# Altium PCB 一体机V1.PcbDoc (part 5 of 5)
Units mil, origin at the board's own origin, x right, y up, seen from the top; angles counter-clockwise.
Board outline 4013.53 x 6321.59 mil, 6 copper layers (Top Layer, GND, VCC, Mid-Layer 1, GND (Plane2), Bottom Layer); 349 components, 402 nets, 1592 pads, 708 vias.
Unrouted connection lines stored in the file: 4.
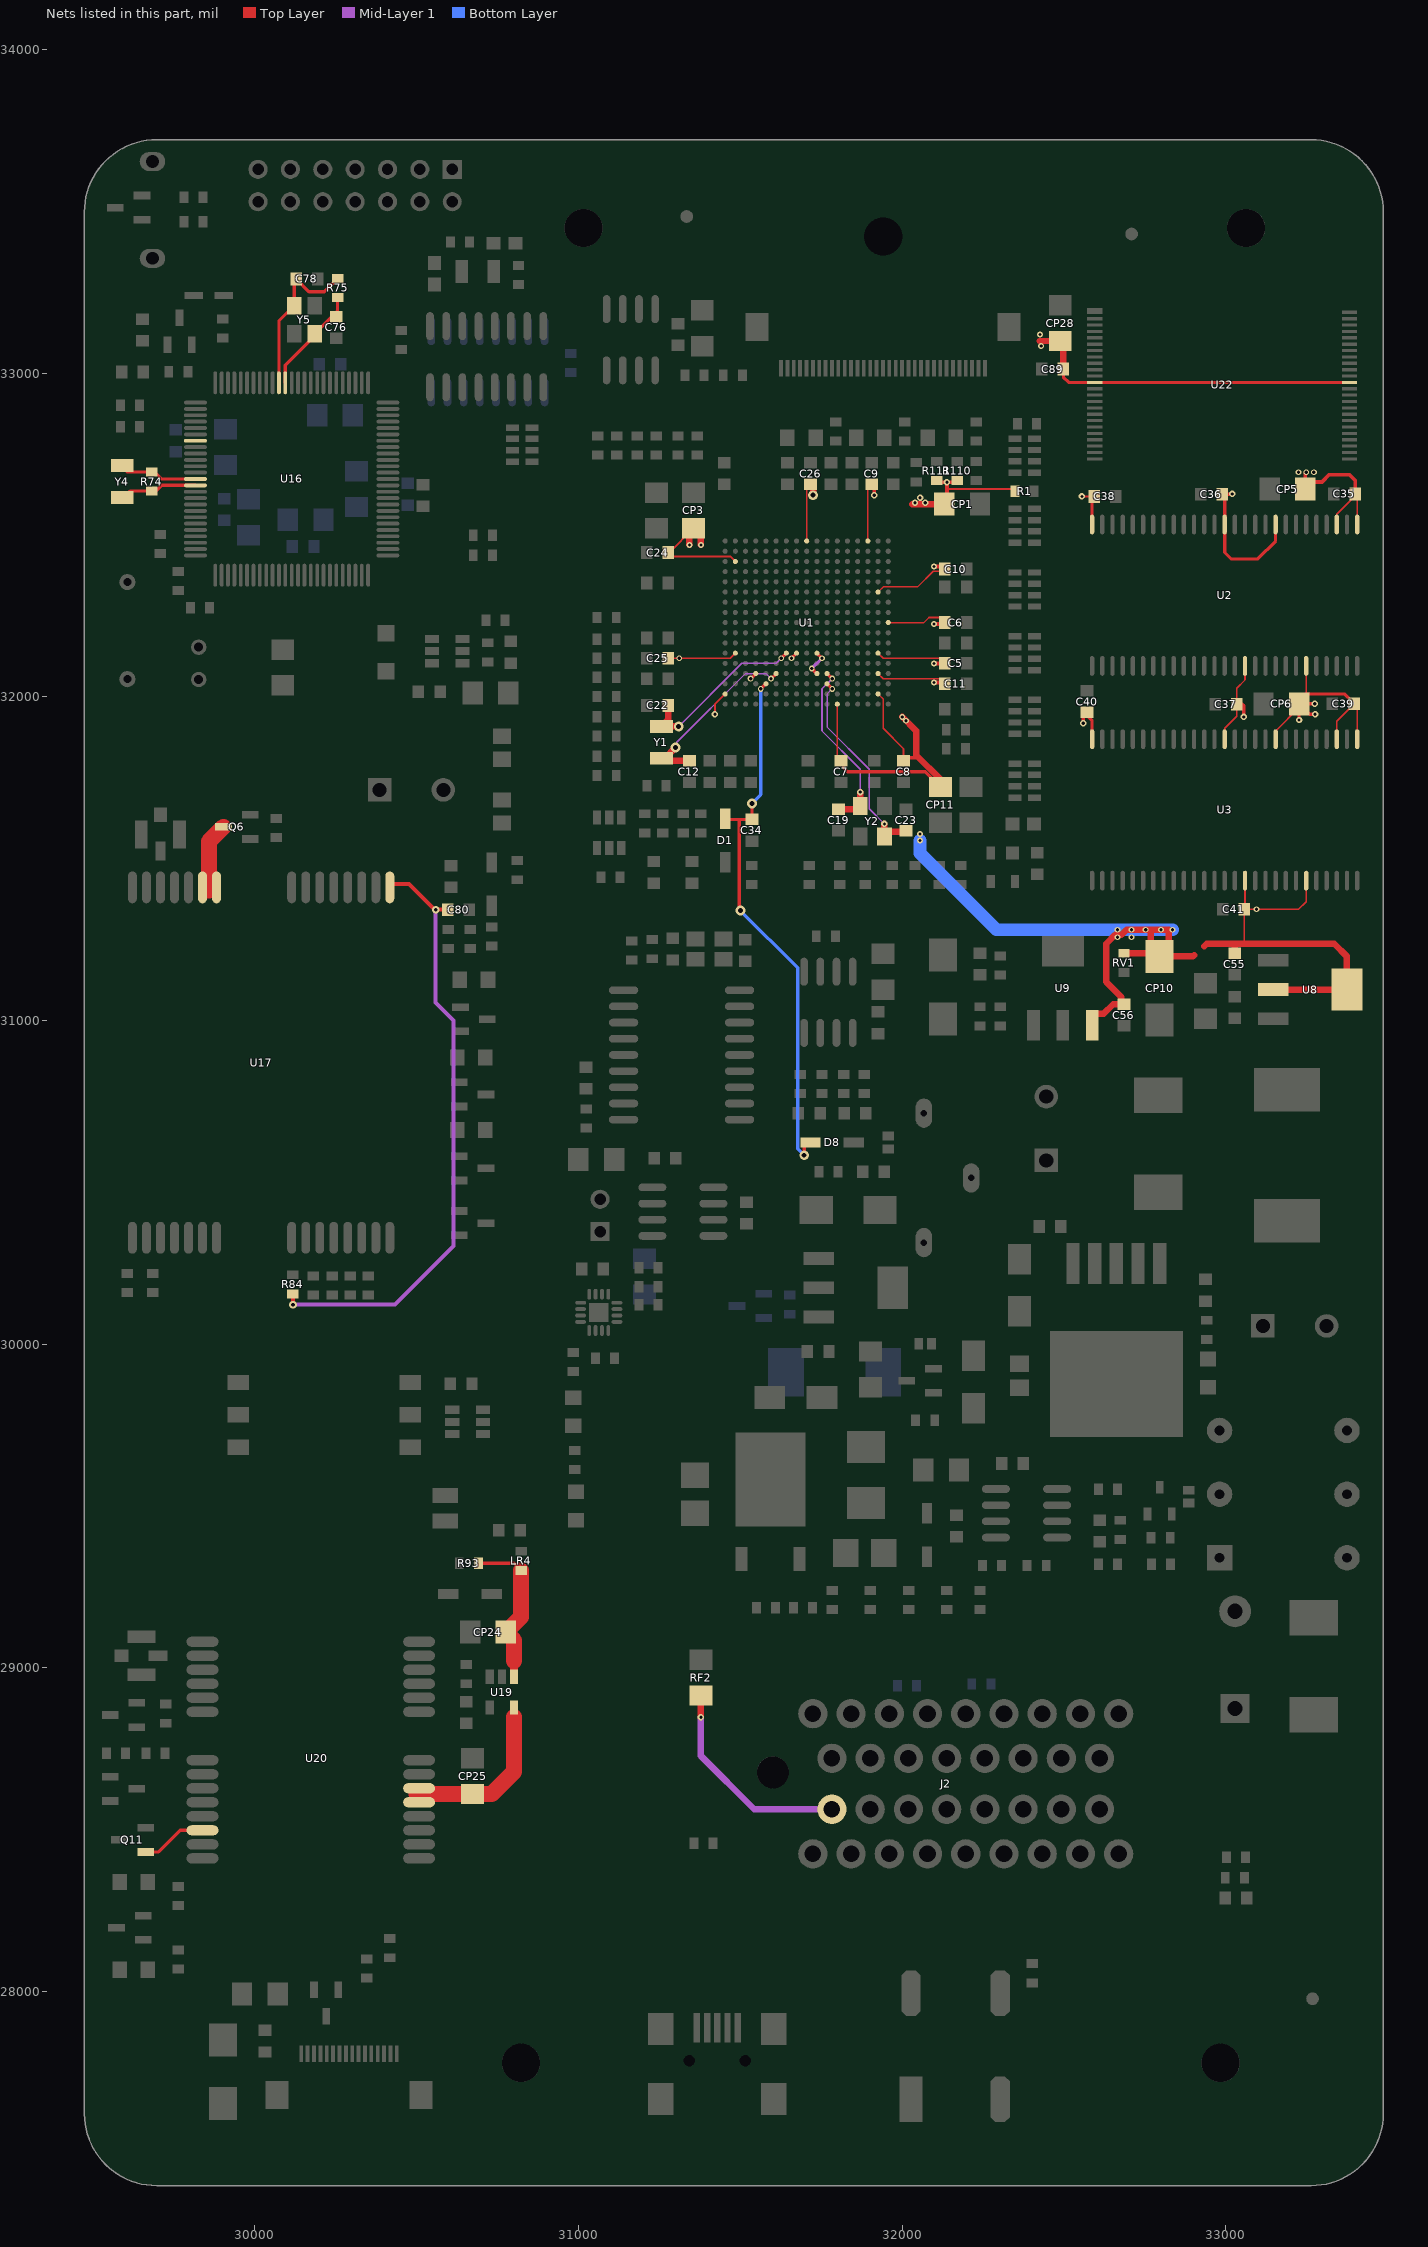
[diagram p9: the nets of this part, all layers, seen from the top]

## Via types
v1: diameter 18, hole 10, Top Layer to Bottom Layer, tented top, 254 vias
v2: diameter 20, hole 10, Top Layer to Bottom Layer, tented top, 136 vias
v3: diameter 23.62, hole 11.81, Top Layer to Bottom Layer, 111 vias
v4: diameter 50, hole 28, Top Layer to Bottom Layer, 77 vias
v5: diameter 19.68, hole 10, Top Layer to Bottom Layer, tented top, 63 vias
v6: diameter 23.62, hole 11.81, Top Layer to Bottom Layer, tented top, 31 vias
v7: diameter 30, hole 15, Top Layer to Bottom Layer, tented top, 18 vias
v8: diameter 30, hole 15, Top Layer to Bottom Layer, 17 vias
v9: diameter 39.37, hole 19.68, Top Layer to Bottom Layer, tented top, 1 vias

## Nets (pads, with @x,y where several pads share a name; then routed paths per layer and width w, separated by ;. In a path a pad name is that pad's centre, name@x,y a point inside that pad or via, vN(x,y) a via of type N, cw(c..) or ccw(c..) an arc to the next point about the centre after c; other vN are vias at no path point) (continued)
VDD3V30: C5.1 C6.1 C7.1 C8.1 C9.1 C10.1 C11.1 C24.1 C25.1 C26.1 C35.1 C36.1 C37.1 C38.1 C39.1 C40.1 C41.1 C55.1 C56.1 C89.1 CP1.1 CP3.1 CP5.1 CP6.1 CP10.1 CP11.1 CP28.1 R1.1 R110.1 R111.1 RV1.2 U1.A9 U1.B6 U1.B12 U1.B14 U1.B16 U1.C1 U1.F17 U1.H12 U1.H14 U1.J1 U1.K12 U1.P14 U1.T3 U1.T12 U1.U16 U2.1 U2.3 U2.9 U2.14 U2.27 U2.43 U2.49 U3.1 U3.3 U3.9 U3.14 U3.27 U3.43 U3.49 U8.2 U8.4 U9.3 U22.12 U22.37 | length 10463.1
  Top Layer w5: C25.1@31278.9,32114.01 31284.17,32119.29 v1(31311.73,32119.29) 31469.21,32119.29 U1.T12@31484.96,32135.04 ; U1.J1@31705.43,32481.5 C26.1@31705.43,32650.79 ; C7.1@31799.92,31802.36 U1.F17@31799.92,31977.56 ; U1.C1@31894.41,32481.5 C9.1@31894.41,32648.35 ; U1.B16@31925.91,32009.05 31941.65,31993.31 31941.65,31902.75 32004.65,31839.76 C8.1@32004.65,31802.36 ; U1.B14@31925.91,32072.05 31941.65,32056.3 32116.85,32056.3 C11.1@32132.6,32040.55 ; U1.B12@31925.91,32135.04 31941.65,32119.29 32020.4,32119.29 C5.1@32132.6,32119.29 ; U1.B6@31925.91,32324.02 31941.65,32339.76 32047.95,32339.76 32096.18,32387.99 C10.1@32131.97,32387.99 ; U1.A9@31957.4,32229.53 32040.08,32229.53 32067.64,32229.53 32083.39,32245.27 32116.22,32245.27 32131.97,32229.53 32128.03,32225.59 C6.1@32120.16,32217.72 ; C10.1@32116.85,32402.75 32120.79,32406.69 32124.73,32402.75 C10.1@32132.6,32394.88 ; C5.1@32120.79,32103.54 C5.1@32132.6,32115.35 ; v2(32555.83,32619.29) C38.1@32593.23,32619.29 ; U3.14@32996.77,31869.29 32996.77,31902.75 33034.17,31940.16 C37.1@33034.17,31977.56 33034.17,32026.77 33059.77,32052.36 U2.43@33059.77,32095.67 ; 33057.8,31240.08 C41.1@33057.8,31343.7 ; U3.43@33059.76,31432.28 33059.76,31345.67 C41.1@33057.8,31343.7 ; U3.9@33154.25,31869.29 33154.25,31894.88 33226.89,31967.52 CP6.1@33226.89,31967.91 ; U3.49@33248.74,31432.28 33248.74,31367.32 33225.12,31343.7 v1(33095.2,31343.7) C41.1@33057.8,31343.7 ; CP6.1@33248.74,31946.06 CP6.1@33226.89,31967.91 ; 33248.74,32020.87 33248.74,32000.51 CP6.1@33226.89,31978.66 CP6.1@33226.89,31967.91 ; 33248.74,32021.95 U2.49@33248.74,32095.67 ; U3.3@33343.23,31869.29 33343.23,31925.12 C39.1@33396.77,31978.66 33406.22,31969.21 U3.1@33406.22,31869.29 ; U2.3@33343.23,32532.68 33343.23,32564.17 33400.32,32621.26 C35.1@33400.32,32627.16 33406.22,32621.26 U2.1@33406.22,32532.68
  Top Layer w6: C24.1@31278.27,32446.06 31292.05,32459.84 31294.02,32459.84 31343.23,32509.05 CP3.1@31355.04,32520.87 ; C24.1@31289.21,32433.38 31470.09,32433.38 U1.T3@31484.96,32418.5 ; v2(31421.97,31946.06) 31421.97,31977.56 U1.U16@31453.46,32009.05 ; 32138.51,32642.91 32341.26,32642.91 R1.1@32349.13,32635.04
  Top Layer w10: v1(31532.2,32056.3) U1.P14@31547.95,32072.05 ; v1(31658.19,32119.29) U1.K12@31673.94,32135.04 ; v1(31721.18,32087.79) U1.H14@31736.93,32072.05 ; U1.H12@31736.93,32135.04 v1(31752.68,32119.29) ; C7.1@31811.73,31802.36 31819.61,31794.49 31819.61,31780.71 31831.42,31768.9 32071.58,31768.9 CP11.1@32118.82,31721.65 32118.82,31745.27 32051.89,31812.2 32014.49,31812.2 C8.1@32004.65,31802.36 ; C9.1@31906.22,32656.69 31914.1,32648.82 v5(31914.1,32623.23) ; CP1.1@32118.82,32595.67 CP1.1@32130.63,32595.67 ; v5@32138.51,32659.62 32142.13,32663.25 v5@32142.28,32663.4 ; C89.1@32498.74,33012.99 32498.74,32987.4 32514.49,32971.65 U22.12@32595.2,32971.65 U22.37@33382.6,32971.65 ; v2(32559.77,31918.5) 32559.77,31946.06 32565.67,31951.97 C40.1@32571.58,31951.97 32571.58,31942.13 32587.32,31926.38 U3.27@32587.32,31869.29 ; U2.27@32587.33,32532.68 C38.1@32587.33,32613.39 ; C36.1@32996.77,32618.5 U2.14@32996.77,32532.68 32996.77,32446.06 33016.46,32426.38 33099.14,32426.38 33154.25,32481.5 U2.9@33154.25,32532.68 ; C37.1@33034.17,31977.56 33051.89,31977.56 33055.83,31973.62 v2(33055.83,31938.19) ; v2(33226.89,31928.54) CP6.1@33226.89,31967.52 ; CP6.1@33226.89,31999.41 CP6.1@33226.89,31978.66 ; CP6.1@33244.8,32009.05 33366.38,32009.05 C39.1@33396.77,31978.66 ; v2(33275.2,31978.66) CP6.1@33226.89,31978.66 ; v2(33276.3,31946.06) 33259.49,31946.06 CP6.1@33226.89,31978.66
  Top Layer w12: v1(32099.14,32044.49) C11.1@32128.66,32044.49 ; v1(32099.14,32103.54) 32120.79,32103.54 C5.1@32132.6,32103.54 ; v1(32099.14,32225.59) C6.1@32128.03,32225.59 ; v1(32099.14,32402.75) 32116.85,32402.75 C10.1@32124.73,32402.75 ; R111.1@32105.69,32663.25 v5(32138.51,32663.25) ; CP1.1@32130.63,32595.67 32138.51,32603.54 32138.51,32638.1 ; 32138.51,32642.91 32138.51,32659.62 v5(32138.51,32663.25) ; v5@32142.28,32663.4 v5@32142.44,32663.25 ; R110.1@32170,32663.25 v5@32142.44,32663.25 ; C36.1@32989.17,32626.1 33019.33,32626.1 v2(33020.39,32627.16) ; v1@33245.83,32691.18 CP5.1@33245.83,32641.85 33268.43,32664.45 33297.84,32664.45 33319.61,32686.22 33382.6,32686.22 33400.32,32668.5 C35.1@33400.32,32627.16 ; v5(32138.51,32663.25) 32142.13,32663.25 v5@32142.44,32663.25
  Top Layer w20: v1(31343.23,32469.68) CP3.1@31343.23,32509.05 ; CP3.1@31355.04,32520.87 31378.66,32497.24 v1(31378.66,32469.68) ; C26.1@31717.25,32656.69 31725.12,32648.82 v7(31725.12,32623.23) ; v1(32000.71,31938.19) 32044.02,31894.88 32044.02,31820.08 CP11.1@32118.82,31745.27 ; v5@32032.21,32595.67 32118.82,32595.67 CP1.1@32122.76,32599.61 ; 32425.91,33099.61 CP28.1@32488.9,33099.61 32498.74,33089.76 C89.1@32498.74,33012.99 ; U9.3@32587.32,31001.18 32587.32,31020.87 32622.76,31020.87 32652.28,31050.39 32677.88,31050.39 32677.88,31072.05 32630.63,31119.29 32630.63,31237.4 32658.19,31264.96 32677.88,31264.96 32693.62,31280.71 v1(32709.37,31280.71) v1(32752.68,31280.71) v1(32799.92,31280.71) 32823.54,31280.71 32823.54,31225.59 CP10.1@32795.99,31198.03 ; RV1.2@32681.81,31207.87 RV1.2@32685.75,31207.87 CP10.1@32786.14,31207.87 ; 32768.43,31268.9 32768.43,31241.34 32795.99,31213.78 CP10.1@32795.99,31198.03 ; 32902.28,31201.97 32898.35,31198.03 CP10.1@32795.99,31198.03 ; 32933.78,31229.53 32941.65,31237.4 33028.27,31237.4 ; C55.1@33026.3,31205.9 C55.1@33028.27,31207.87 33028.27,31237.4 ; U8.2@33146.38,31095.67 U8.4@33374.73,31095.67 33374.73,31198.03 33335.36,31237.4 33028.27,31237.4
  Mid-Layer 1 w5: v2@33275.2,31947.17 v2(33276.3,31946.06)
  Mid-Layer 1 w10: v1(31721.18,32087.79) v1(31752.68,32119.29)
  Bottom Layer w39.37: v1(32055.83,31556.3) 32055.83,31516.93 32292.05,31280.71 v1(32666.06,31280.71) v1(32709.37,31280.71) v1(32752.68,31280.71) v1(32799.92,31280.71) v1(32835.36,31280.71)
  other v1: 32666.06,31257.09 32709.37,31257.09 32055.83,31575.98 32012.52,31926.38 33225.12,32694.09 33248.74,32694.09 33272.36,32694.09 32429.84,33083.86 32425.91,33119.29
  other v5: 32040.08,32599.61 32071.58,32599.61 32055.83,32615.35
VDD5V: J2.17 RF2.1 | length 665.5
  Top Layer w20: v2(31378.66,28847.64) RF2.1@31378.66,28914.57 RF2.1@31382.6,28910.63
  Mid-Layer 1 w20: v2(31378.66,28847.64) 31378.66,28727.64 31543.31,28562.99 J2.17@31783.47,28562.99
VDD_EXT_2.8V: C80.1 R84.1 U17.16 | length 1908.3
  Top Layer w12: v3(30118.11,30122.05) R84.1@30118.11,30155.51 ; U17.16@30417.32,31381.89 U17.16@30417.32,31411.42 ; U17.16@30424.21,31418.31 30421.26,31421.26 30476.38,31421.26 30555.12,31342.52 C80.1@30596.46,31342.52
  Mid-Layer 1 w12: v3(30118.11,30122.05) 30433.07,30122.05 30614.17,30303.15 30614.17,31000 30559.06,31055.12 v3(30559.06,31342.52)
VDD_RTC: C34.1 D1.2 D8.2 U1.N15 | length 1697.6
  Top Layer w10: D1.2@31455.43,31621.26 C34.1@31536.14,31621.26 v7(31536.14,31670.47) ; 31496.77,31621.26 31496.77,31343.7 v7(31500.71,31339.76) ; v1(31563.7,32024.8) U1.N15@31579.45,32040.55 ; v7(31697.56,30583.86) 31697.56,30623.23 D8.2@31717.25,30623.23
  Bottom Layer w10: v7(31500.71,31339.76) 31677.5,31162.98 31677.5,30603.92 v7(31697.56,30583.86) ; v7(31536.14,31670.47) 31563.7,31698.03 v1(31563.7,32024.8)
VGG5V: CP24.1 LR4.1 R93.2 U19.1 | length 499.8
  Top Layer w10: R93.2@30690.95,29322.83 30801.18,29322.83 LR4.1@30822.83,29301.18
  Top Layer w25: U19.1@30801.18,28972.44 30801.18,29021.65
  Top Layer w50: 30801.18,29021.65 30801.18,29084.65 CP24.1@30775.59,29110.24 30822.83,29157.48 LR4.1@30822.83,29301.18
VGPRS4V4: Q6.3 U17.24 U17.25 | length 215.6
  Top Layer w50: 29858.27,31401.57 29858.27,31553.15 Q6.3@29903.54,31598.43
VGPS3V3: CP25.1 U19.5 U20.5 U20.6 | length 528.5
  Top Layer w20: 30801.18,28848.43 U19.5@30801.18,28877.95
  Top Layer w50: 30500,28610.24 CP25.1@30673.23,28610.24 30732.28,28610.24 30801.18,28679.13 30801.18,28848.43
WAKE_UP: Q11.1 U20.26 | length 202.9
  Top Layer w10: Q11.1@29663.39,28431.1 29702.76,28431.1 29769.65,28497.99 U20.26@29838.58,28497.99
WDTEN: U16.7
XTAL2_IN: C76.1 R75.2 U16.89 Y5.3 | length 334.5
  Top Layer w8: Y5.3@30181.1,33137.8 Y5.3@30181.1,33139.14
  Top Layer w10: U16.89@30095.3,32971.28 U16.89@30094.49,32970.47 30094.49,33025.15 30185.04,33115.7 Y5.3@30185.04,33122.05 30255.91,33192.91 R75.2@30255.91,33234.25 ; Y5.3@30181.1,33139.14 Y5.3@30181.1,33140.56
XTAL2_OUT: C78.1 R75.1 U16.90 Y5.1 | length 518.2
  Top Layer w10: U16.90@30074.8,32970.47 30074.8,33161.42 Y5.1@30122.05,33208.66 30122.05,33285.43 C78.1@30127.95,33291.34 30167.32,33251.97 30214.57,33251.97 R75.1@30255.91,33293.31 ; C78.1@30118.11,33293.31 C78.1@30127.95,33303.15
XTAL_IN: R74.2 U16.13 Y4.2 | length 240.2
  Top Layer w10: Y4.2@29590.55,32710.63 29606.3,32694.88 R74.2@29681.1,32694.88 ; R74.2@29681.1,32690.95 29694.88,32690.95 29712.6,32673.23 U16.13@29816.93,32673.23
XTAL_OUT: R74.1 U16.14 Y4.1 | length 245.1
  Top Layer w10: Y4.1@29590.55,32612.2 29614.17,32635.83 R74.1@29681.1,32635.83 ; R74.1@29681.1,32631.89 29690.94,32631.89 29712.6,32653.54 U16.14@29816.93,32653.54
XTIPLL: C19.1 U1.G14 Y2.3 | length 548.9
  Top Layer w10: U1.G14@31768.43,32072.05 v1(31784.17,32056.3)
  Top Layer w20: C19.1@31811.73,31652.75 31860.95,31652.75 Y2.3@31870.79,31662.6 v5(31870.79,31705.9)
  Mid-Layer 1 w5: v1(31784.17,32056.3) 31752.68,32024.8 31752.68,31894.88 31870.79,31776.77 v5(31870.79,31705.9) v5@31870.79,31698.03
XTIRTC: C12.1 U1.M14 Y1.2 | length 555.9
  Top Layer w10: v1(31595.2,32056.3) U1.M14@31610.95,32072.05
  Top Layer w20: Y1.2@31256.62,31810.24 31266.46,31810.24 v7(31299.92,31843.7) ; Y1.2@31264.49,31802.36 C12.1@31343.23,31802.36
  Mid-Layer 1 w5: v7@31303.86,31847.64 31303.86,31859.45 31516.46,32072.05 31579.45,32072.05 v1(31595.2,32056.3)
XTOPLL: C23.1 U1.G15 Y2.1 | length 636.4
  Top Layer w10: U1.G15@31768.43,32040.55 v1(31784.17,32024.8)
  Top Layer w20: v5(31945.59,31607.48) Y2.1@31945.59,31568.11 31961.34,31583.86 32002.68,31583.86 C23.1@32012.52,31593.7
  Mid-Layer 1 w5: v1(31784.17,32024.8) 31768.43,32009.05 31768.43,31906.69 31898.35,31776.77 31898.35,31654.72 v5(31945.59,31607.48)
XTORTC: C22.1 U1.L12 Y1.1 | length 553.5
  Top Layer w10: v1(31626.69,32119.29) U1.L12@31642.44,32135.04
  Top Layer w20: C22.1@31278.27,31973.62 31278.27,31930.31 Y1.1@31256.62,31908.66 v7(31309.77,31908.66)
  Mid-Layer 1 w5: v7(31309.77,31908.66) 31504.65,32103.54 31610.95,32103.54 v1(31626.69,32119.29)
pads on no net: D13.1 D16.1 J2. J2.1 J2.2 J2.3 J2.10 J2.12 J2.16 J2.20 J2.21 J2.28 J4.17 J4.18 J5.3@30535.32,30016.89 J5.6 J6.32 J6.34 J6.35 M1.1 M2.1 M3.1 P2.4 P2.6 P2.10 P2.12 P2.13 P2.14 U1.B2 U1.C2 U1.C3 U1.C4 U1.C5 U1.C9 U1.C10 U1.D3 U1.D9 U1.D10 U1.D11 U1.E3 U1.E7 U1.E10 U1.F6 U1.F7 U1.F9 U1.G2 U1.G3 U1.G5 U1.G7 U1.G9 U1.H2 U1.H3 U1.H4 U1.H5 U1.H6 U1.H7 U1.H9 U1.H10 U1.J3 U1.J4 U1.J8 U1.J9 U1.J12 U1.K3 U1.K8 U1.K15 U1.L1 U1.L3 U1.L6 U1.L8 U1.M2 U1.M3 U1.M5 U1.M7 U1.M8 U1.M10 U1.N2 U1.N8 U1.N13 U1.P1 U1.P7 U1.P8 U1.P10 U1.R2 U1.R7 U1.R8 U1.R9 U1.T4 U1.T7 U1.U6 U1.U12 U2.40 U3.40 U4.8 U5.3 U5.4 U5.5 U5.6 U5.10 U5.11 U13.3 U16.17 U16.44 U16.52 U16.55 U17.4 U17.6 U17.7 U17.18 U17.19 U17.20 U20. U20.1 U20.2 U20.3@30393.23,28376.02 U20.8 U20.9 U20.10 U20.12 U20.21 U20.22 U20.23 U20.24 U20.25 U20.27 U21.12@31112.99,30148.43 U22.1 U22.2 U22.3 U22.4 U22.5 U22.6 U22.10 U22.11 U22.14 U22.15 U22.20 U22.21 U22.22 U22.23 U22.24 U22.25 U22.26 U22.27 U22.28 U22.33 U22.34 U22.35 U22.38 U22.39 U22.40 U22.45 U22.46 U22.47 U22.48 U23.1 U23.2 U23.4 U23.5 U23.6 U23.7 U23.9 U23.13 U23.14 U23.15 U24.4 U24.5 U24.6 U24.7 U24.9 U24.10 U24.14 US1.4 US1.6 US1.7 US1.8 US1.9 US1.MH1 US1.MH2 Y2.2 Y2.4 Y3.2 Y3.4 Y5.2 Y5.4

## Polygon pours and split planes (outlines as drawn)
GND on Bottom Layer "Bottom Layer-No Net 1" (solid, remove dead copper, pour order 6): 28870.08,33980.32 28870.08,27011.81 34118.11,27011.81 34141.73,27035.43 34094.49,27082.68 34094.49,34003.94
GND on Top Layer "Bottom Layer-No Net 1" (solid, remove dead copper, pour order 7): 28842.52,33980.32 28842.52,27011.81 34090.55,27011.81 34114.17,27035.43 34066.93,27082.68 34066.93,34003.94
GND on GND (split plane): 184 vertices, not listed, extent 29493.48,27420.02 33466.96,33701.56
VDD3V30 on VCC (split plane): 33466.89,31029.9 32375.89,31029.9 32375.89,33251.99 33466.89,33251.99
VDD1.3V on VCC (split plane): 32267.27,31644.07 31321.72,31644.07 31143.6,31822.19 31143.6,32763.8 32267.27,32763.8
VDD3V30 on VCC (split plane): 31932.62,32591.73 31933.01,32589.78 31934.11,32588.13 31935.77,32587.02 31937.72,32586.63 32007.6,32586.63 32009.55,32587.02 32011.2,32588.13 32012.31,32589.78 32012.7,32591.73 32012.7,32604.38 32073.69,32665.37 32149.16,32665.37 32149.16,32372.42 32059.77,32372.42 32057.81,32372.03 32056.16,32370.93 32055.06,32369.27 32054.67,32367.32 32054.67,32276.77 32055.06,32274.82 32056.16,32273.17 32057.81,32272.06 32059.77,32271.67 32145.22,32271.67 32145.22,32203.13 32059.77,32203.13 32057.81,32202.74 32056.16,32201.64 32055.06,32199.98 32054.67,32198.03 32054.67,32158.66 32055.06,32156.71 32056.16,32155.06 32079.78,32131.43 32081.44,32130.33 32083.39,32129.94 32120.65,32129.94 32157.03,32093.56 32157.03,32014.15 32067.64,32014.15 32065.69,32013.76 32064.03,32012.66 32062.93,32011.01 32062.54,32009.05 32062.54,31880.29 31774.48,31880.29 31736.6,31918.17 31734.94,31919.28 31732.99,31919.66 31384.71,31919.66 31357.36,31947.01 31357.36,32059.07 31356.97,32061.03 31355.87,32062.68 31323.21,32095.34 31321.56,32096.44 31319.61,32096.83 31265.65,32096.83 31265.65,32145.69 31347.17,32145.69 31349.12,32146.08 31350.77,32147.18 31351.88,32148.84 31352.26,32150.79 31352.26,32390.94 31351.88,32392.89 31350.77,32394.55 31349.12,32395.65 31347.17,32396.04 31249.9,32396.04 31249.9,32472.46 31295.99,32472.46 31297.94,32472.85 31299.59,32473.95 31300.7,32475.61 31301.08,32477.56 31301.08,32558.12 31321.72,32578.76 31681.81,32578.76 31683.76,32579.15 31685.42,32580.25 31686.52,32581.91 31686.91,32583.86 31686.91,32673.25 31743.64,32673.25 31743.64,32646.85 31744.03,32644.9 31745.14,32643.24 31764.82,32623.56 31766.48,32622.45 31768.43,32622.07 31855.04,32622.07 31856.99,32622.45 31858.65,32623.56 31908.33,32673.25 31932.62,32673.25
VCC5V on VCC (split plane): 32388.6,29895.53 32388.6,29789.51 32175.05,29575.96 31899.75,29575.96 31898.8,29576.91 31898.8,30018.52 32265.61,30018.52
VDD3V3 on VCC (split plane): 32365.69,31029.9 32213.31,31029.9 32211.36,31029.51 32209.7,31028.41 32208.6,31026.75 32208.21,31024.8 32208.21,30520.85 30982.19,30520.85 30982.19,33251.99 32365.69,33251.99
VAA5V on VCC (split plane): 33264.1,33701.55 33263.41,33701.49 33263.41,33700.24 33265.42,33701.07 33265.36,33701.52 33275.7,33701.2 33287.94,33700.09 33300.1,33698.24 33312.12,33695.66 33323.97,33692.36 33335.59,33688.35 33346.95,33683.64 33358.01,33678.26 33368.72,33672.22 33379.05,33665.54 33388.95,33658.25 33398.4,33650.38 33407.35,33641.95 33415.78,33633 33423.65,33623.55 33430.94,33613.65 33437.62,33603.32 33443.66,33592.61 33449.04,33581.55 33453.75,33570.19 33457.76,33558.57 33461.06,33546.72 33463.64,33534.7 33465.49,33522.54 33466.61,33510.3 33466.96,33498.7 33466.89,33498 33466.89,33262.18 30977.54,33262.18 30977.54,33701.44 33262.76,33701.44 33263.29,33701.5 33263.41,33701.49 33263.41,33701.51 33263.93,33701.56
VCC on VCC (split plane): 29697.22,33701.44 30966.89,33701.44 30966.89,33257.09 30967.28,33255.13 30967.34,33255.04 30967.34,31993.29 29493.55,31993.29 29493.55,33497.77 29493.48,33498.47 29493.83,33510.08 29494.94,33522.33 29496.79,33534.5 29499.38,33546.54 29502.68,33558.39 29506.7,33570.03 29511.41,33581.4 29516.8,33592.47 29522.84,33603.19 29529.53,33613.52 29536.82,33623.44 29544.7,33632.89 29553.14,33641.85 29562.1,33650.29 29571.55,33658.17 29581.47,33665.46 29591.8,33672.15 29602.52,33678.19 29613.59,33683.58 29624.96,33688.29 29636.6,33692.31 29648.45,33695.61 29660.49,33698.2 29672.66,33700.05 29684.91,33701.16 29696.52,33701.51
VAA5V on VCC (split plane): 33466.89,27623.23 33466.96,27622.53 33466.61,27610.96 33465.49,27598.73 33463.65,27586.59 33461.07,27574.59 33457.77,27562.77 33453.77,27551.16 33449.07,27539.82 33443.7,27528.78 33437.67,27518.09 33431,27507.78 33423.73,27497.89 33415.87,27488.46 33407.45,27479.52 33398.51,27471.11 33389.08,27463.25 33379.19,27455.97 33368.88,27449.31 33358.19,27443.28 33347.15,27437.9 33335.81,27433.2 33324.21,27429.2 33312.38,27425.9 33300.38,27423.33 33288.24,27421.48 33276.02,27420.37 33264.44,27420.02 33263.75,27420.09 29696.95,27420.09 29696.25,27420.02 29684.66,27420.37 29672.42,27421.48 29660.27,27423.33 29648.25,27425.91 29636.41,27429.21 29624.79,27433.22 29613.43,27437.92 29602.38,27443.31 29591.67,27449.34 29581.35,27456.02 29571.45,27463.3 29562.01,27471.17 29553.06,27479.6 29544.63,27488.55 29536.76,27497.99 29529.48,27507.89 29522.8,27518.21 29516.77,27528.92 29511.38,27539.97 29506.68,27551.33 29502.67,27562.95 29499.37,27574.79 29496.79,27586.81 29494.94,27598.96 29493.83,27611.2 29493.52,27621.44 29493.55,27621.79 29493.54,27621.95 29493.55,27622.05 29494.79,27622.05 29494.46,27622.85 29493.55,27622.81 29493.55,27775.61 29564.17,27775.61 29566.12,27776 29567.78,27777.1 29966.68,28176 30555.12,28176 30557.07,28176.39 30558.72,28177.5 30977.09,28595.86 30980.69,28599.47 30981.8,28601.12 30982.19,28603.07 30982.19,29700.81 31834.65,29700.81 31836.6,29701.19 31838.25,29702.3 31839.36,29703.95 31839.74,29705.9 31839.74,30019.69 31839.36,30021.64 31838.25,30023.29 31724.08,30137.46 31722.42,30138.57 31720.47,30138.96 31403.69,30138.96 31031.99,30510.65 32213.31,30510.65 32215.26,30511.04 32216.91,30512.14 32218.02,30513.8 32218.41,30515.75 32218.41,31019.7 32370.79,31019.7 33466.89,31019.7
VBAT on VCC (split plane): 30971.99,30515.75 30972.38,30513.8 30973.48,30512.14 30975.14,30511.04 30977.09,30510.65 31017.57,30510.65 31397.97,30130.25 31399.62,30129.15 31401.57,30128.76 31718.36,30128.76 31829.55,30017.57 31829.55,29711 30977.09,29711 30975.14,29710.61 30973.48,29709.51 30972.38,29707.86 30971.99,29705.9 30971.99,28605.18 30969.88,28603.07 30553.01,28186.2 29964.57,28186.2 29962.62,28185.81 29960.96,28184.71 29562.06,27785.81 29493.55,27785.81 29493.55,31983.09 30971.99,31983.09
EGND on GND (Plane2) (split plane): 33264.1,33701.55 33263.41,33701.49 33263.41,33700.24 33265.42,33701.07 33265.36,33701.52 33275.7,33701.2 33287.94,33700.09 33300.1,33698.24 33312.12,33695.66 33323.97,33692.36 33335.59,33688.35 33346.95,33683.64 33358.01,33678.26 33368.72,33672.22 33379.05,33665.54 33388.95,33658.25 33398.4,33650.38 33407.35,33641.95 33415.78,33633 33423.65,33623.55 33430.94,33613.65 33437.62,33603.32 33443.66,33592.61 33449.04,33581.55 33453.75,33570.19 33457.76,33558.57 33461.06,33546.72 33463.64,33534.7 33465.49,33522.54 33466.61,33510.3 33466.96,33498.7 33466.89,33498 33466.89,27623.23 33466.96,27622.53 33466.61,27610.96 33465.49,27598.73 33463.65,27586.59 33461.07,27574.59 33457.77,27562.77 33453.77,27551.16 33449.07,27539.82 33443.7,27528.78 33437.67,27518.09 33431,27507.78 33423.73,27497.89 33415.87,27488.46 33407.45,27479.52 33398.51,27471.11 33389.08,27463.25 33379.19,27455.97 33368.88,27449.31 33358.19,27443.28 33347.15,27437.9 33335.81,27433.2 33324.21,27429.2 33312.38,27425.9 33300.38,27423.33 33288.24,27421.48 33276.02,27420.37 33264.44,27420.02 33263.75,27420.09 29696.95,27420.09 29696.25,27420.02 29684.66,27420.37 29672.42,27421.48 29660.27,27423.33 29648.25,27425.91 29636.41,27429.21 29624.79,27433.22 29613.43,27437.92 29602.38,27443.31 29591.67,27449.34 29581.35,27456.02 29571.45,27463.3 29562.01,27471.17 29553.06,27479.6 29544.63,27488.55 29536.76,27497.99 29529.48,27507.89 29522.8,27518.21 29516.77,27528.92 29511.38,27539.97 29506.68,27551.33 29502.67,27562.95 29499.37,27574.79 29496.79,27586.81 29494.94,27598.96 29493.83,27611.2 29493.52,27621.44 29493.55,27621.79 29493.54,27621.95 29493.55,27622.05 29494.79,27622.05 29494.46,27622.85 29493.55,27622.81 29493.55,33497.77 29493.48,33498.47 29493.83,33510.08 29494.94,33522.33 29496.79,33534.5 29499.38,33546.54 29502.68,33558.39 29506.7,33570.03 29511.41,33581.4 29516.8,33592.47 29522.84,33603.19 29529.53,33613.52 29536.82,33623.44 29544.7,33632.89 29553.14,33641.85 29562.1,33650.29 29571.55,33658.17 29581.47,33665.46 29591.8,33672.15 29602.52,33678.19 29613.59,33683.58 29624.96,33688.29 29636.6,33692.31 29648.45,33695.61 29660.49,33698.2 29672.66,33700.05 29684.91,33701.16 29696.52,33701.51 29697.22,33701.44 33262.76,33701.44 33263.29,33701.5 33263.41,33701.49 33263.41,33701.51 33263.93,33701.56

## Keep-outs
Keep-Out Layer:
  circle w10: c30818.9,27779.53 r137.8
  circle w10: c31015.75,33448.82 r137.8
  circle w10: c33062.99,33448.82 r137.8
  circle w10: c32984.25,27779.53 r137.8
  lines w10: 29478.46,27622.05 29478.46,33497.77 ; 29478.46,27623.49 ccw(c29696.95,27623.49) 29696.95,27405 33263.75,27405 ccw(c33263.75,27623.23) 33481.97,27623.23 33481.97,33498 ccw(c33263.41,33498) 33263.41,33716.57 29697.22,33716.53 ccw(c29697.22,33497.77) 29478.46,33497.77 ; 29478.46,33261.93 29478.46,33497.77

## Other copper
Top Layer:
  rectangle net GND: 33248.03,30893.82 33275.59,30944.88
  rectangle net VDD3V3: 31425.91,33048.42 31473.15,33123.23
  rectangle net VDD3V30: 32402.28,33064.17 32445.59,33138.98
  rectangle net VDD3V30: 33205.43,32682.28 33288.11,32713.78
  rectangle net VDD3V30: 32020.39,32564.17 32091.26,32627.16
  rectangle net GND: 31599.14,33115.35 32276.3,33253.15
  rectangle net VDD3V3: 31453.47,33048.42 31736.93,33087.79
  rectangle net GND: 32047.95,30965.75 32071.58,31343.7
  rectangle net GND: 32055.83,31320.08 32473.15,31343.7
  rectangle net GND: 32449.53,31320.08 32473.15,31575.98
  rectangle net GND: 32083.39,31548.42 32473.15,31575.98
  rectangle net VDD3V30: 32059.77,31698.03 32099.14,31713.78
  rectangle net VDD3V30: 32044.02,31544.49 32071.58,31753.15
  rectangle net VDD3V30: 32051.89,31729.53 32091.26,31745.27
  rectangle net VCC1V3: 32488.9,31300.39 32528.27,31623.23
  rectangle net NetC59_1: 31988.9,30379.13 32044.02,30607.48
  rectangle net VDD3V3: 31933.78,30780.71 32044.02,30910.63
  rectangle net VDD3V3: 31933.78,30690.16 31981.03,30851.57
  rectangle net VDD3V3: 31996.77,30780.71 32036.14,31375.2
  rectangle net VDD3V3: 31705.43,31355.51 32429.84,31390.94
  rectangle net VCC1V3: 32205.43,31245.27 32394.41,31288.58
  rectangle net VCC1V3: 32083.39,31268.9 32563.7,31308.27
  rectangle net VDD3V30: 32650.32,31245.27 32729.06,31292.52
  rectangle net VDD3V30: 32650.32,31264.96 32847.17,31296.46
  rectangle net VDD3V30: 32858.98,31170.47 32984.96,31249.21
  rectangle net VDD3V30: 33327.48,31170.47 33418.03,31249.21
  rectangle net GND: 33209.37,30930.31 33311.73,31060.24
  rectangle net GND: 33067.64,31036.61 33252.68,31060.24
  rectangle net GND: 33059.77,31170.47 33166.06,31198.03
  rectangle net GND: 33059.77,31036.61 33087.32,31198.03
  rectangle net GND: 32351.1,29379.13 32418.03,29575.98
  rectangle net GND: 32453.47,29627.16 32870.79,29690.16
  rectangle net NetC59_1: 31910.16,30257.09 31988.9,30355.51
  rectangle net GND: 31685.75,30296.46 31784.17,30359.45
  rectangle net NetD5_2: 32918.03,29079.92 33107.01,29390.94
  rectangle net VCC24V: 32831.42,30225.59 33044.02,30304.33
  rectangle net VCC24V: 32973.15,30103.54 33142.44,30280.71
  rectangle net NetD4_2: 32886.54,30359.45 33063.7,30516.93
  rectangle net NetC64_1: 32536.14,30619.29 33295.99,30690.16
  rectangle net NetC64_1: 32512.52,30343.7 32622.76,30694.09
  rectangle net GND: 32414.1,30186.22 32492.84,30320.08
  rectangle net VDD1.3V: 31166.06,32485.43 31197.56,32572.05
  rectangle net VAA5V: 32886.54,30910.63 32984.96,30953.94
  rectangle net AMP_2_VCC24: 32610.95,28796.46 33103.07,28961.81
  rectangle net EGND: 32441.65,28638.98 33437.72,28772.83
  rectangle net EGND: 32925.91,29414.57 33421.97,29670.47
  rectangle net EGND: 33394.41,28638.98 33457.4,29670.47
  rectangle net GND: 32654.25,30910.63 32847.17,30942.12
  rectangle net GND: 32059.77,30867.32 32339.29,30934.25
  rectangle net GND: 32343.23,28119.29 32457.4,28178.35
  rectangle net VCC5V: 32303.86,29729.53 32418.03,29827.95
GND (plane layer: these items are gaps in the copper):
  lines w10: 29473.45,33714.08 29484.96,33725.59 31114.88,33725.59 ; 30929.84,30422.44 31532.21,30422.44 31571.58,30383.07 ; 30929.84,33300.39 33486.98,33300.39 33481.97,33295.38 33481.97,30883.07 32311.73,30883.07 32311.73,29771.65 31653.07,29771.65 31248.74,29367.32 31248.74,28446.06 31575.51,28119.29 31945.59,28119.29 31949.53,28115.35
VCC (plane layer: these items are gaps in the copper):
  lines w10: 29477.09,33748.03 30972.44,33748.03 30972.44,31988.19 29478.46,31988.19 ; 30968.5,28594.49 30977.09,28603.07 30977.09,29705.9 31834.65,29705.9 31834.65,30019.69 31720.47,30133.86 31401.57,30133.86 31019.69,30515.75 30977.09,30515.75 ; 30971.99,33257.09 30971.99,33882.34 30893.7,33960.63 29479.17,33960.63 29479.17,27780.71 29564.17,27780.71 29964.57,28181.1 30555.12,28181.1 30973.48,28599.47 ; 31103.07,31548.42 31166.06,31548.42 ; 31577.48,28144.88 31945.59,28144.88 ; 32370.79,31024.8 32370.79,33257.09 ; 32453.47,33257.09 33477.09,33257.09 33481.03,33253.15 33481.03,31024.8 33481.03,31024.8 32481.03,31024.8 32213.31,31024.8 32213.31,30515.75 30977.09,30515.75 ; 32481.03,33257.09 30977.09,33257.09 30977.09,30515.75 ; 31138.51,31820.08 31319.61,31638.98 32272.36,31638.98 32272.36,32768.9 31138.51,32768.9 31138.51,31820.08 ; 31244.8,32390.94 31244.8,32477.56 31295.99,32477.56 31295.99,32560.24 31319.61,32583.86 31681.81,32583.86 31681.81,32678.35 31748.74,32678.35 31748.74,32646.85 31768.43,32627.16 31855.04,32627.16 31906.22,32678.35 31937.72,32678.35 31937.72,32591.73 32007.6,32591.73 32007.6,32606.5 32071.58,32670.47 32099.14,32670.47 32154.25,32670.47 32154.25,32367.32 32059.77,32367.32 32059.77,32276.77 32150.32,32276.77 32150.32,32198.03 32059.77,32198.03 32059.77,32158.66 32083.39,32135.04 32122.76,32135.04 32162.13,32095.67 32162.13,32009.05 32067.64,32009.05 32067.64,31875.2 32000.71,31875.2 31937.72,31875.2 31772.36,31875.2 31732.99,31914.57 31583.39,31914.57 31382.6,31914.57 31352.26,31944.9 31352.26,32059.07 31319.61,32091.73 31260.55,32091.73 31260.55,32150.79 31347.17,32150.79 31347.17,32390.94 31244.8,32390.94 ; 31893.7,29574.8 31897.64,29570.87 32177.17,29570.87 32393.7,29787.4 32393.7,29897.64 32267.72,30023.62 31893.7,30023.62 31893.7,29574.8

## Silkscreen, mask and mechanical layers (free items; w line width, h text height)
Top Overlay:
  text "5V" at 32303.15,29665.35 h60
  text "EGND" at 33185.04,28543.31 h60
Top Solder:
  rectangle: 33212.6,28665.35 33330.71,28748.03
  rectangle: 32322.83,29740.16 32401.57,29818.9
Mechanical 1:
  lines w10: 29478.46,33497.77 cw(c29697.22,33497.77) 29697.22,33716.53 ; 29698.9,33716.53 33218.39,33716.53 cw(c33218.39,33498) 33436.95,33498 ; 31008.58,31398.82 31008.58,32855.51 31028.27,32875.2 32441.65,32875.2 32453.47,32863.38 32453.47,31398.82 31008.58,31398.82
Mechanical 2:
  lines w10: 28769.9,33484.86 28869.9,33485.53 ; 28809.77,33505.13 28869.9,33485.53 ; 28810.03,33465.13 28869.9,33485.53 ; 28869.83,33495.53 28869.97,33475.53 ; 29619.83,33500.53 29619.97,33480.53 ; 29679.76,33510.93 29619.9,33490.53 ; 29680.03,33470.93 29619.9,33490.53 ; 29719.9,33491.19 29619.9,33490.53 ; 30858.98,27194.09 30858.98,33556.3
  text "750.017 (mil)" at 28894.98,33341.73 h60 r0.38
  text "47 ,16.4mm" at 32626.69,28005.12 h30
Mechanical 5:
  circle w10: c29244.1,33488.19 r98.43
  circle w10: c29244.1,33488.19 r374.02
  circle w10: c33732.28,33488.19 r374.02
  circle w10: c29677.17,33507.87 r196.85
  circle w10: c29244.1,33488.19 r177.17
  lines w10: 29880.78,33308.02 ccw(c29724.41,33625.98) 30062.44,33732.22 ; 29886.22,27939.17 34114.17,27939.17 ; 29886.22,28099.53 34108.9,28099.53 ; 29886.54,27940.35 29886.54,33292.52 ; 30319.61,33257.09 33407.61,33257.09
  lines w39.37: 28862.21,26118.11 28862.21,33732.28 34114.17,33732.28 34114.17,26118.11 28862.21,26118.11
Drill Drawing:
  text ".Legend" at 34456.69,27503.94 h60

## Dimensions
29244.1,33932.74 to 33732.28,33912.7 on Mechanical 2
31015.75,33448.82 to 33062.99,33448.82 on Mechanical 2
31015.75,33448.82 to 30818.9,27779.53 on Mechanical 2
30818.9,27779.53 to 32984.25,27779.53 on Mechanical 2
30818.9,27779.53 to 31015.75,33448.82 on Mechanical 2
28862.21,26118.11 to 28862.21,33732.28 on Mechanical 2
29244.1,33488.19 to 31015.75,33448.82 on Mechanical 2
33062.99,33448.82 to 33732.28,33488.19 on Mechanical 2

## Text inside footprints (layer, text, board x,y; h text height)
BT1: Top Overlay "+" at 31089.65,30253.15 h30 r90
CV1: Top Overlay "+" at 32958.39,30026.77 h30
CV2: Top Overlay "+" at 32475.12,30411.61 h30 r90
J4: Top Overlay "16" at 30454.89,27853.94 h30; Top Overlay "1" at 30120.89,27851.94 h30
J6: Top Overlay "1" at 32315.67,32993.31 h30; Top Overlay "33" at 31551.89,32989.37 h30
P2: Top Overlay "13" at 29944.88,33673.23 h50 r180; Top Overlay "14" at 29930.24,33549.92 h50 r180; Top Overlay "1" at 30730.24,33649.92 h50 r180; Top Overlay "2" at 30730.24,33549.92 h50 r180
US1: Mechanical 1 "PCB Edge" at 31270.22,27561.72 h9.84